# KiCad board ebit_ad.kicad_pcb (continued)
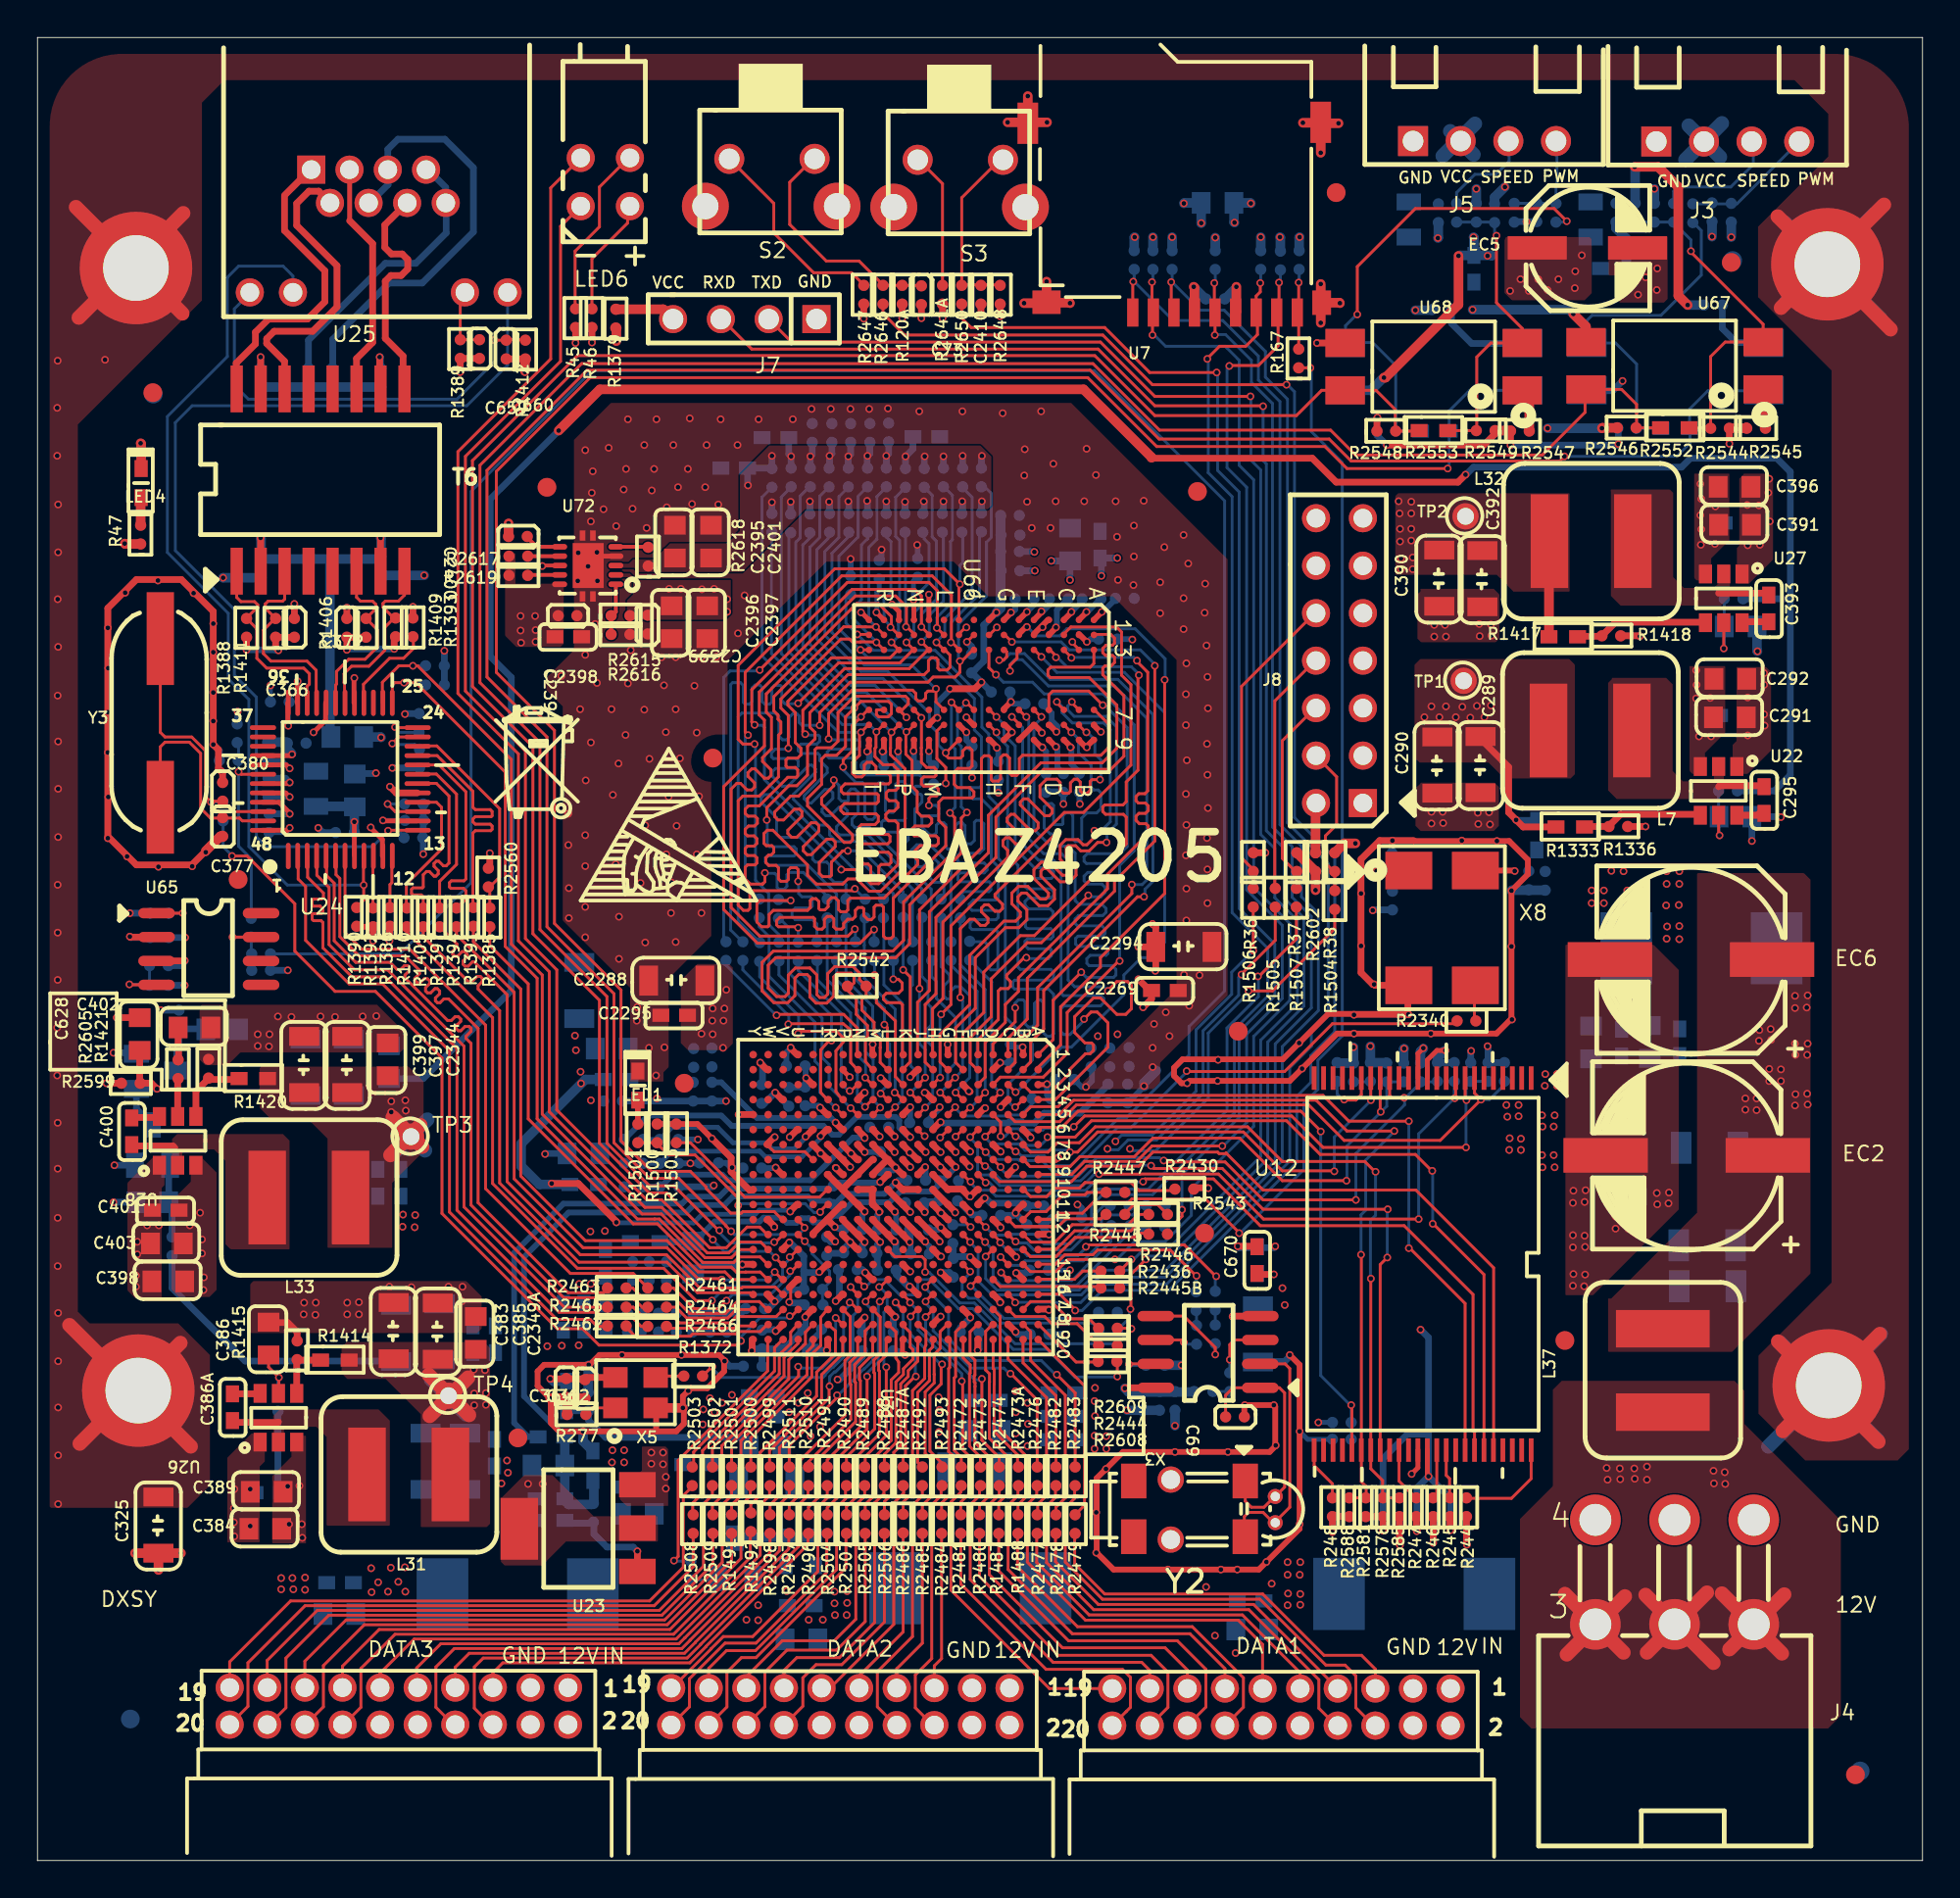
[diagram p0: board, top side]
## Routing (per net, layer and track width the routed paths; a pad name or vN(x,y) marks a point on that pad's centre or on a via; arc(x,y) is an arc through that point) (continued)
NetU31_C16: length 8.1
  Top Layer w0.152: 51.77,31.02 51.76,31.02 v1(51.4,31.38)
  Bottom Layer w0.152: 57.25,33.68 57.25,33.03 55.17,30.95 51.76,30.95 51.4,31.3 v1(51.4,31.38)
NetU31_C18: length 5.6
  Top Layer w0.152: 56.55,27.5 56.55,27.55 55.46,28.65 54.11,28.65 53.73,29.03 52.17,29.03 51.77,29.42
NetU31_D16: length 5.9
  Top Layer w0.152: 56.7,30.58 56.65,30.63 51.36,30.63 50.97,31.02
NetU31_E13: length 12.2
  Top Layer w0.152: 50.16,33.42 50.16,33.39 v1(50.55,33)
  Bottom Layer w0.152: R2443.2 58.63,33.3 58.05,33.3 55.44,30.69 51.41,30.69 50.98,31.13 50.98,32.58 50.58,32.98
NetU31_E16: length 8.3
  Top Layer w0.152: 50.16,31.02 50.15,31.02 v1(49.78,30.65)
  Bottom Layer w0.152: 49.75,30.7 49.78,30.7 51.55,28.93 56.28,28.93 R2435.2
NetU31_F12: length 1.6
  Top Layer w0.152: v1(49.78,33.8) 49.77,33.8 49.36,34.22
  Bottom Layer w0.152: R2539.2 49.6,33.93 49.78,33.75
NetU31_F15: length 9.8
  Top Layer w0.152: 49.36,31.82 v1(49.75,31.43)
  Bottom Layer w0.152: R2437.2 56.28,28.68 51.43,28.68 50.1,30.01 49.67,30.01 49.33,30.35 49.33,30.93 49.73,31.33
NetU31_G5: length 5.4
  Top Layer w0.152: v1(48.95,40.2) 48.56,39.81 48.55,39.81
  Bottom Layer w0.152: v1(48.95,40.2) 48.95,40.15 49.38,39.73 51.65,39.73 51.7,39.78 52.46,39.78 53.08,40.4 53.08,40.65
NetU31_G8: length 18.1
  Top Layer w0.356: v1(48.98,37) 48.96,37 48.55,37.41
  Bottom Layer w0.305: 35.2,33.18 36.13,34.1 38.53,34.1 38.73,34.3 39.7,34.3 39.98,34.03 40.49,34.03 40.74,34.28 41.15,34.28 41.38,34.05 42.09,34.05 42.44,34.4 42.73,34.4 43.45,35.13 45.45,35.13 46.03,35.7 47.73,35.7 48.23,36.2 48.23,36.25 v1(48.98,37)
  Bottom Layer w0.356: C2349.2 34.93,33 33.28,33
NetU31_H5: length 1.5
  Top Layer w0.152: 47.75,39.81 47.75,39.82 v1(48.13,40.2)
  Bottom Layer w0.305: R2456.1 47.53,39.53 48.13,40.13
NetU31_H6: length 10.4
  Top Layer w0.356: 47.75,39.01 48.13,39.39 48.13,39.4
  Bottom Layer w0.356: 57.15,41.38 57.1,41.38 55.6,39.88 53.7,39.88 53.18,39.35 52.56,39.35 52.5,39.42 51.86,39.42 51.79,39.35 48.18,39.35
  vias: v1(48.18,39.4)
NetU31_N6: length 13.9
  Top Layer w0.356: 43.99,38.74 44.13,38.6 44.13,38.61 43.73,39.01
  Bottom Layer w0.305: 44.03,38.58 43.5,38.58 41.23,36.3 36.83,36.3 36.53,36.6 33.9,36.6 33.25,35.95 33.25,35.9 R1499.2 R1494.1
  vias: v1(44.13,38.55)
NetU31_P6: length 8
  Top Layer w0.356: 42.93,39.01 42.58,39.36 v1(42.58,39.38)
  Bottom Layer w0.305: v1(42.58,39.38) 42.33,39.63 38.38,39.63 36.48,41.53 C1987.2
NetU31_R6: length 10.8
  Top Layer w0.356: 41.75,38.65 42.11,39.01 42.12,39.01
  Bottom Layer w0.254: R1495.1 R1497.2 33.85,37.85 38.53,37.85 38.83,37.55 40.78,37.55 41.75,38.53 41.75,38.55
  vias: v1(41.78,38.65)
NetU31_T6: length 10.2
  Top Layer w0.356: v1(40.98,38.63) 41.32,38.97 41.32,39.01
  Bottom Layer w0.254: R1496.1 33.2,38.48 33.85,39.13 36.28,39.13 37.1,38.3 38.85,38.3 39.18,37.98 40.38,37.98 41,38.6
NetU31_V18: length 8.9
  Top Layer w0.152: 39.73,29.35 39.4,29.03 37.28,29.03 36.94,28.69 34.24,28.69 33.9,29.03 32.28,29.03 31.78,29.53 R2465.2
NetU65_7: length 4.4
  Top Layer w0.152: v1(10.4,49.28) U65.7
  Bottom Layer w0.152: 11.43,47.38 11.4,47.4 R1401.2 10.5,49.28 10.43,49.35
NetU69_1: length 3.8
  Bottom Layer w0.356: 92.08,81 90.63,81 89.88,81.75 R2551.2
NetU70_1: length 4.8
  Bottom Layer w0.356: R3555.2 75.43,82.03 76.5,80.95 79.05,80.95
NetU72_6: length 1.9
  Top Layer w0.203: 27.83,70.1 26.63,70.1 26.15,70.58
NetU72_7: length 1.7
  Top Layer w0.203: R2617.2 27.83,69.6
NetU72_9: length 1.7
  Top Layer w0.203: 26.18,68.6 27.83,68.6
NetX3_5: length 4.9
  Top Layer w0.152: X3.5 61.15,29.05 62.83,27.38 v1(62.83,27)
  Bottom Layer w0.152: 62.75,26.98 62.83,27.05 R122.1
NetX3_6: length 2.3
  Top Layer w0.152: v1(61.15,27.65) 61.03,27.78 X3.6
  Bottom Layer w0.152: 61.13,27.6 61.18,27.55 R120.1
NetX3_7: length 2.3
  Top Layer w0.152: v1(58.23,26.48) 58.25,26.5 X3.7
  Bottom Layer w0.152: C71.2 58.33,26.43 58.25,26.5
NetX5_1: length 1.8
  Top Layer w0.152: X5.1 29.58,24.15 29.2,23.78
NetX5_2: length 4.4
  Top Layer w0.356: X5.2 29.28,25.78 29.2,25.7 v1(27.35,25.7)
  Bottom Layer w0.356: L29.1 28.15,25.5 27.5,25.5 27.38,25.63
NetX8_4: length 2.1
  Top Layer w0.305: v1(78.8,52.8) 78.78,52.83 X8.4
NetY2_7: length 13.2
  Top Layer w0.152: Y2.2 64.38,17.33 64.38,18.35 64.6,18.58 65.38,18.58 65.93,18.03 ; X3.2 66.55,26.5 66.8,26.25 66.8,18.85 66,18.05
PS-DDR-A0_0: length 10
  Top Layer w0.152: 43.73,42.2 43.38,42.59 43.38,44.32 42.98,44.65 40.08,44.65 v1(40.05,44.63)
  Bottom Layer w0.152: R2517.1 37.63,47.53 40.08,45.08 40.08,44.7
PS-DDR-A1_0: length 8.4
  Top Layer w0.152: 46.14,42.2 46.55,42.61 46.55,47.15 v1(46.18,47.53)
  Bottom Layer w0.152: 46.1,50.23 46.18,50.15 v1(46.18,47.53)
PS-DDR-A2_0: length 9.9
  Top Layer w0.152: v1(44.15,41.78) 44.52,41.4 44.53,41.4
  Bottom Layer w0.152: 44.18,41.8 44.18,42.53 43.75,42.95 43.75,45.38 42.13,47 R2519.1
PS-DDR-A3_0: length 7.2
  Top Layer w0.152: v1(44.65,47.25) 44.75,47.15 44.75,45.78 45.76,44.8 45.76,41.83 46.14,41.4
  Bottom Layer w0.152: v1(44.65,47.25) 44.65,48 44.68,48.03
PS-DDR-A4_0: length 9.4
  Top Layer w0.152: 44.53,40.61 v1(44.14,40.22) 44.13,40.2 44.13,40.18
  Bottom Layer w0.152: 41.6,47.93 41.6,47 43.38,45.23 43.38,42.58 43.73,42.22 43.73,41.9 43.73,40.63 v1(44.14,40.22) 44.09,40.22
PS-DDR-A5_0: length 5.7
  Top Layer w0.152: v1(45.18,44.6) 45.34,44.44 45.34,43
  Bottom Layer w0.152: v1(45.18,44.6) 45.18,45.48 43.63,47.03 R2522.1
PS-DDR-A6_0: length 11
  Top Layer w0.152: 44.95,40.98 45.32,40.61 45.34,40.61
  Bottom Layer w0.152: 44.95,40.98 45.45,41.48 45.45,43.58 44.55,44.48 44.55,45.58 43.13,47 43.13,50.23 43.1,50.25
  vias: v1(44.98,40.93)
PS-DDR-A7_0: length 10.6
  Top Layer w0.152: 46.14,40.61 45.77,40.98 v1(45.73,40.98)
  Bottom Layer w0.152: R2524.1 44.1,50.25 44.1,49.23 44.1,49.22 44.1,48.83 44.1,48.83 44.1,48.23 44.1,48.22 44.1,47.83 44.1,47.83 44.1,47.08 45.75,45.43 45.75,41 v1(45.73,40.98)
PS-DDR-A8_0: length 6.9
  Top Layer w0.152: v1(45.65,47.03) 45.93,47.03 46.13,46.83 46.13,46.48 45.93,46.28 45.28,46.28 45.13,46.13 45.13,45.95 45.3,45.78 46.03,45.78 46.14,45.66 46.14,43
  Bottom Layer w0.152: v1(45.65,47.03) 45.65,47.88 45.68,47.9
PS-DDR-A9_0: length 8
  Top Layer w0.152: 46.58,40.95 46.92,40.61 46.95,40.61
  Bottom Layer w0.152: R2526.1 46.68,46.73 46.58,46.63 46.58,42.4 46.95,42.03 46.95,41.35 46.53,40.93
  vias: v1(46.55,40.98)
PS-DDR-A10_0: length 9.2
  Top Layer w0.152: 49.36,39.81 49.73,40.18 v1(49.75,40.18)
  Bottom Layer w0.152: 49.75,40.15 50.13,40.53 50.13,46.38 48.73,47.78 R2527.1
PS-DDR-A11_0: length 8.5
  Top Layer w0.152: 48.55,40.61 48.52,40.61 v1(48.15,40.98)
  Bottom Layer w0.152: v1(48.15,40.98) 48.18,40.98 48.55,41.35 48.55,42.13 48.98,42.55 48.98,44.98 47.95,46 47.95,46.9 47.7,47.15 R2528.1
PS-DDR-A12_0: length 10.3
  Top Layer w0.152: 50.16,40.61 50.18,40.61 v1(50.55,40.98)
  Bottom Layer w0.152: v1(50.55,40.98) 50.55,46.48 49.23,47.8 49.23,50.18 49.2,50.2
PS-DDR-A13_0: length 8.3
  Top Layer w0.152: v1(51.35,40.98) 50.98,40.61 50.97,40.61
  Bottom Layer w0.152: R2530.1 50.9,46.88 50.9,41.43 v1(51.35,40.98)
PS-DDR-A14_0: length 12.5
  Top Layer w0.152: 49.36,40.61 48.99,40.98 v1(48.98,40.98)
  Bottom Layer w0.152: R2531.1 48.2,47.7 48.65,47.25 48.65,46.98 48.35,46.68 48.35,46.13 48.5,45.98 48.65,45.98 48.7,46.03 48.7,46.38 48.95,46.63 49.25,46.63 49.73,46.15 49.73,41.78 49,41.05
PS-DDR-BA0_0: length 11.1
  Top Layer w0.152: v1(45.75,40.2) 45.36,39.81 45.34,39.81
  Bottom Layer w0.152: v1(45.75,40.2) 46.13,40.58 46.13,45.75 45.15,46.73 45.15,50.18
PS-DDR-BA1_0: length 11.3
  Top Layer w0.152: v1(42.35,43.75) 42.23,43.75 41.78,43.25 41.78,40.99 42.12,40.61
  Bottom Layer w0.152: R2515.1 39.58,50.28 40.05,49.8 40.05,47.4 42.35,45.1 v1(42.35,43.75)
PS-DDR-BA2_0: length 11.3
  Top Layer w0.152: 46.95,39.81 46.98,39.81 v1(47.35,40.18)
  Bottom Layer w0.152: 47.3,40.13 47.75,40.58 47.75,43.43 47.5,43.68 47.5,44.4 47.68,44.58 47.68,45.53 47.5,45.7 47.5,46.85 47.18,47.18 R2516.1
PS-DDR-CAS_0: length 12.3
  Top Layer w0.152: 42.93,39.81 42.58,40.16 v1(42.58,40.18)
  Bottom Layer w0.152: 42.55,40.15 42.55,40.18 41.73,41 41.73,42.4 41.48,42.65 41.48,44.73 39.03,47.18 39.03,49.3 38.5,49.83 R2533.1
PS-DDR-CKE_0: length 8.6
  Top Layer w0.152: 43.35,41.03 43.73,41.4
  Bottom Layer w0.152: R2536.1 40.58,47.5 42.88,45.2 42.88,41.45 43.26,41.06
  vias: v1(43.33,41.07)
PS-DDR-CS_0: length 10
  Top Layer w0.152: v1(39.43,45.1) 39.48,45.15 43,45.15 43.73,44.42 43.73,43
  Bottom Layer w0.152: R2535.1 36.73,47.78 39.3,45.2 39.33,45.2
PS-DDR-ODT_0: length 10
  Top Layer w0.152: v1(43.38,40.15) 43.38,40.15 43.73,39.81
  Bottom Layer w0.152: 43.4,40.13 42.23,41.3 42.23,42.48 41.85,42.85 41.85,44.95 39.55,47.25 R2513.1
PS-DDR-RAS_0: length 10.8
  Top Layer w0.152: 42.93,40.61 42.59,41.04 42.59,43.2 43,43.7 43,43.88 42.63,44.25 40.7,44.25 v1(40.58,44.13)
  Bottom Layer w0.152: 40.6,44.15 40.6,45.08 38.53,47.15 R2532.1
PS-DDR-WE_0: length 9.3
  Top Layer w0.152: 44.53,39.81 44.58,39.81 v1(44.95,40.18)
  Bottom Layer w0.152: R2534.1 42.63,47 44.15,45.48 44.15,43.73 44.15,43.72 44.15,43.18 44.58,42.75 44.58,41.93 44.57,41.92 44.57,40.58 44.9,40.25
REGOUT: length 5.4
  Top Layer w0.254: 16.9,53.62 v1(16.9,55.43) 16.88,55.41
  Bottom Layer w0.508: 16.93,56.3 16.88,56.25 L30.2 ; 16.98,56.25 16.9,56.18 C382.1
REGOUT.0: length 23.8
  Top Layer w0.254: 15.37,61.78 15.37,60.85 v1(14.73,60.2)
  Top Layer w0.356: T6.7 18.3,70.57 v1(18.3,70.58) ; T6.2 11.91,70.57 v1(11.9,70.58)
  Bottom Layer w0.508: 15.6,69.45 15.6,59.83 15.48,59.7 ; 15.6,69.45 18.23,69.45 18.33,69.55 18.33,70.55 v1(18.3,70.58) ; 15.6,69.45 C375.1 11.93,70.53 11.9,70.55
RESET.0_0: length 121.7
  Top Layer w0.152: 51.77,38.21 52.15,37.83 52.18,37.83
  Bottom Layer w0.152: R2392.1 19.33,48.38 23.13,52.18 23.13,73.05 29.58,79.5 56.38,79.5 63.33,72.55 63.33,46.4 61.43,44.5 61.43,42.98 58.1,39.65 57.7,39.65 55.13,37.08 54.23,37.08 53.7,37.6 52.49,37.6 52.29,37.8 52.25,37.8
  vias: v1(52.18,37.83)
RESET.1_0: length 11.1
  Top Layer w0.152: v1(10.73,58.1) 10.87,57.96 12,57.96
  Bottom Layer w0.152: R1995.1 10.73,59.58 10.73,54.13 11.4,53.45 11.4,50.23 11.43,50.2
REST.ON_0: length 45.1
  Top Layer w0.152: 18.4,61.78 18.4,62.87 19.28,63.75 v1(20.03,63.75) 20.28,63.75 25.28,58.75 25.28,48.9 26.93,47.25 26.93,39.83 32.25,34.5 33.28,34.5 35.61,32.17 36.98,32.17 36.99,32.19 37.04,32.19 37.45,32.6 38.08,32.6
  Bottom Layer w0.152: 20.13,63.75 R2469.2
RXCLK_0: length 35.8
  Top Layer w0.152: 40.51,32.62 40.51,32.56 40.15,32.2 ; R1410.1 19.7,49.55 24.28,44.98 24.28,36.13 28.8,31.6 33.4,31.6 35.13,29.88 v1(35.98,29.88)
  Bottom Layer w0.152: 40.13,32.1 39.75,31.72 39.75,31.28 39.75,31.28 39.75,31.21 39.17,30.63 36.73,30.63 36,29.9 35.98,29.9
  vias: v1(40.13,32.2)
RXD0_0: length 29
  Top Layer w0.152: R1391.1 23.25,49.03 25.78,46.5 25.78,36.53 29.23,33.08 33.58,33.08 35.25,31.41 36.67,31.41 37.08,31 38.08,31
RXD1_0: length 31.4
  Top Layer w0.152: 39.38,31.35 39.38,31.35 39.71,31.02 ; R1394.1 22.35,49.4 25.43,46.33 25.43,36.38 29.1,32.7 33.58,32.7 35.23,31.05 36.48,31.05 36.5,31.03
  Bottom Layer w0.152: 36.5,31.03 36.55,30.98 38.93,30.98 39.28,31.33
  vias: v1(36.5,31) v1(39.33,31.4)
RXD2_0: length 33.9
  Top Layer w0.152: 39.68,30.28 39.35,30.6 37.63,30.6 37.58,30.55 35.33,30.55 33.55,32.33 28.95,32.33 25.05,36.23 25.05,46.2 23.3,47.95 23.2,47.95 22.98,47.73 22.8,47.73 22.7,47.83 22.7,48 22.93,48.23 22.93,48.35 22.78,48.5 22.65,48.5 22.4,48.25 22.25,48.25 22.15,48.35 22.15,48.53 22.38,48.75 22.38,48.9 R1397.1
RXD3_0: length 32.2
  Top Layer w0.152: 38.1,30.22 38.03,30.3 35.21,30.3 33.58,31.93 28.88,31.93 24.65,36.15 24.65,45.35 23.5,46.5 23.5,46.68 23.73,46.9 23.73,47.08 23.63,47.18 23.45,47.18 23.15,46.88 23,46.88 20.58,49.3 R1405.1
RXDV_0: length 27.4
  Top Layer w0.152: R1385.1 24.13,48.83 26.18,46.78 26.18,39.58 31.78,33.97 33.07,33.97 35.38,31.66 37.02,31.66 37.28,31.4 37.77,31.4 37.78,31.4 38.55,31.4 38.9,31.05
RY/#BY_0: length 30.4
  Top Layer w0.152: 51.77,39.81 52.15,39.43 54.53,39.43 55.42,40.32 67.81,40.32 69.7,38.43 74.83,38.43 v1(77,40.6) 76.66,40.95 U12.7
  Bottom Layer w0.152: v1(77,40.6) 77.45,40.6 78.25,41.4 78.25,41.5
TXCLK_0: length 33.1
  Top Layer w0.152: U24.7 16.4,49.52 17.3,48.63 19.85,48.63 23.9,44.58 23.9,35.85 28.43,31.33 31.78,31.33 32.48,30.63
TXD0_0: length 34.5
  Top Layer w0.152: 15.92,53.6 15.92,52.6 16.13,52.4 16.13,49.3 17.15,48.28 19.6,48.28 20.38,47.5 20.38,47.33 20.13,47.08 20.13,46.98 20.28,46.83 20.4,46.83 20.63,47.05 20.8,47.05 20.93,46.93 20.93,46.8 20.7,46.58 20.7,46.4 20.8,46.3 20.98,46.3 21.2,46.53 21.33,46.53 21.45,46.4 21.45,46.25 21.23,46.03 21.23,45.88 21.33,45.78 21.48,45.78 21.68,45.98 21.93,45.98 23.5,44.4 23.5,35.1 28.3,30.3 30.2,30.3 30.43,30.53
TXD1_0: length 37
  Top Layer w0.152: 32.5,29.53 32.25,29.53 31.75,30.03 28.08,30.03 23.13,34.98 23.13,43.6 22.85,43.88 22.85,43.98 23.13,44.25 23.13,44.4 23.03,44.5 22.8,44.5 22.58,44.28 22.45,44.28 22.33,44.4 22.33,44.53 22.58,44.78 22.58,44.9 22.45,45.03 22.28,45.03 22.08,44.83 21.88,44.83 19.6,47.1 19.6,47.25 19.83,47.48 19.83,47.68 19.75,47.75 19.58,47.75 19.38,47.55 19.18,47.55 18.8,47.93 16.98,47.93 15.83,49.08 15.83,52.15 15.42,52.56 15.42,53.6
TXD2_0: length 32.4
  Top Layer w0.152: 14.9,53.13 14.9,52.58 15.55,51.93 15.55,48.88 16.9,47.53 18.68,47.53 22.75,43.45 22.75,34.88 28.1,29.53 R2465.1
TXD3_0: length 37.8
  Top Layer w0.152: 32.48,28.5 32.2,28.5 31.68,29.03 30.1,29.03 29.88,29.25 27.83,29.25 22.38,34.7 22.38,43.33 18.55,47.15 16.78,47.15 15.23,48.7 15.23,50.05 15.13,50.15 14.73,50.15 14.65,50.23 14.65,50.48 14.7,50.53 15.13,50.53 15.23,50.63 15.23,50.78 15.08,50.93 14.7,50.93 14.65,50.98 14.65,51.23 14.73,51.3 15.15,51.3 15.25,51.4 15.25,51.63 14.41,52.47 14.41,53.6
TXEN_0: length 34.3
  Top Layer w0.152: 13.91,53.6 13.91,52.37 14.3,51.98 14.3,49.1 16.63,46.78 18.4,46.78 21.98,43.2 21.98,34.6 27.7,28.88 29.48,28.88 29.85,28.5 30.38,28.5
U3.A14_0: length 72.4
  Top Layer w0.152: R2650.1 49.3,82.3 49.8,81.8 56.93,81.8 59.33,79.4 v1(62.9,79.4) ; v1(61.05,34.73) 61.05,34.38 60.6,33.93 58.65,33.93 58.33,33.6 55.33,33.6 54.34,32.62 53.38,32.62
  Bottom Layer w0.152: v1(62.9,79.4) 62.95,79.35 62.95,74.18 64.1,73.03 64.1,50.8 66,48.9 66,46.13 64.1,44.23 64.1,40.01 64.11,40.01 64.11,39.66 61.05,36.6 61.05,34.68
U3.A17_0: length 84.3
  Top Layer w0.152: R2646.1 45.1,82.55 46.25,81.4 56.83,81.4 59.48,78.75 v1(66.63,78.75) ; 53.38,30.22 54.53,30.22 55.35,29.4
  Bottom Layer w0.152: v1(66.63,78.75) 66.68,78.75 67.05,78.38 67.05,55.65 69.2,53.5 69.2,44.23 67.93,42.95 67.93,41.53 67.18,40.78 67.18,37.25 60.35,30.43 56.8,30.43 55.73,29.35 55.48,29.35
  vias: v1(55.35,29.35)
U3.A.9_0: length 61.7
  Top Layer w0.152: 63.6,79.78 65.13,79.78 66.18,80.83 66.18,82.53 U7.8 66.23,82.72 v1(66.23,84.2) ; 53.38,36.61 55.16,36.61 55.86,37.31 58.63,37.31 59.45,38.13 v1(63.2,38.13)
  Bottom Layer w0.152: R160.1 66.3,84.23 66.25,84.18 ; 63.45,79.63 63.45,74.33 64.5,73.28 64.5,51.8 66.4,49.9 66.4,46 64.5,44.1 64.5,39.38 63.23,38.1
  vias: v1(63.58,79.75)
U3.A.12_0: length 62.1
  Top Layer w0.152: 53.89,34.22 53.38,34.22 54.16,34.22 54.49,34.54 55.74,34.54 56.33,35.13 58.2,35.13 58.38,35.3 62.3,35.3 64.1,33.5 v1(64.1,33.48) ; R167.1 v1(67.9,79.65)
  Bottom Layer w0.152: v1(64.1,33.48) 64.15,33.48 67.55,36.88 67.55,40.4 68.3,41.15 68.3,42.7 69.6,44 69.6,74.6 67.95,76.25 67.95,79.5
U3.A.16_0: length 79.8
  Top Layer w0.152: v1(64.7,78.13) 59.6,78.13 56.7,81.03 40.23,81.03 J7.2 ; R2436.2 v1(58.35,32.08)
  Bottom Layer w0.152: v1(58.35,32.08) 58.48,32.08 59.03,32.63 60.3,32.63 65.25,37.58 65.25,43.78 67.2,45.73 67.2,50.18 66,51.38 66,54 65.25,54.75 65.25,74.2 64.73,74.73 64.73,78 64.75,78.03
U3.B.15_0: length 67.9
  Top Layer w0.152: v1(59.45,84.23) 59.45,82.67 U7.2 59.48,82.56 v1(59.48,81.4) ; 52.57,31.82 52.97,31.43 54.33,31.43 54.97,32.07 57.47,32.07 v1(57.48,32.08)
  Bottom Layer w0.152: 59.5,84.25 R164.1 ; v1(57.48,32.08) 57.58,32.08 58.53,33.03 60.15,33.03 61.55,34.43 61.55,35.85 64.88,39.18 64.88,43.98 66.8,45.9 66.8,50 64.88,51.93 64.88,73.68 64.1,74.45 64.1,80.05 63.35,80.8 60.18,80.8 59.58,81.4
U3.C.17_0: length 72.6
  Top Layer w0.152: U7.3 60.48,82.75 v1(60.48,84.23) ; 51.77,30.22 52.19,29.8 52.2,29.8
  Bottom Layer w0.152: 60.53,84.23 R163.1 ; 52.18,29.75 52.21,29.78 54.12,29.78 54.13,29.78 55.65,29.78 56.63,30.75 60.23,30.75 66.8,37.33 66.8,42.3 67.95,43.45 67.95,44.35 68.85,45.25 68.85,53.2 66.68,55.38 66.68,77.98 65.5,79.15 65.5,80.53 63.3,82.73 62.03,82.73 60.6,84.15
  vias: v1(52.15,29.78)
U3.D.14_0: length 71.1
  Top Layer w0.152: v1(50.58,32.23) 50.58,32.23 50.97,32.62 ; v1(62.8,81.4) 62.81,81.41 U7.5 62.78,82.64 v1(62.78,84.18)
  Bottom Layer w0.152: 62.83,84.2 R162.1 ; v1(50.58,32.23) 50.58,31.05 51.19,30.44 55.56,30.44 56.63,31.5 60.18,31.5 66.03,37.35 66.03,43.58 67.95,45.5 67.95,50.38 66.93,51.4 66.93,54.1 65.88,55.15 65.88,77.75 64.75,78.88 64.75,80.05 63.38,81.43 62.85,81.43
U3.E.12_0: length 66.9
  Top Layer w0.152: v1(65.23,84.18) 65.23,83.7 65.01,83.48 U7.7 65.08,82.53 65.08,81.43 64.45,80.8 63.05,80.8 62.4,80.15 v1(62.4,80.13) ; 50.16,34.22 v1(50.58,33.8)
  Bottom Layer w0.152: 50.58,33.73 v1(50.58,33.8) 51.01,33.37 51.52,33.37 51.96,33.37 52.01,33.42 53.18,33.42 53.7,32.9 55.08,32.9 56.23,34.05 56.23,34.95 56.8,35.53 59.48,35.53 63.85,39.9 63.85,39.91 63.85,44.35 65.63,46.13 65.63,48.68 63.73,50.58 63.73,72.78 62.45,74.05 62.45,80.13 ; 65.25,84.2 R161.1
U3.F13_0: length 78.1
  Top Layer w0.152: U7.1 58.43,84.23 v1(58.45,84.25) ; v1(49.75,33) 49.75,33.02 49.36,33.42
  Bottom Layer w0.152: 58.5,84.25 R165.1 ; 58.5,84.25 58.43,84.18 ; 58.5,84.25 60.58,82.18 63.23,82.18 65.13,80.28 65.13,79 66.28,77.85 66.28,55.28 67.43,54.13 67.43,51.43 68.33,50.53 68.33,45.35 66.4,43.43 66.4,37.35 60.18,31.13 56.63,31.13 55.68,30.18 50.92,30.18 50.18,30.93 50.18,32.55 49.73,33 ; 58.5,84.25 v1(58.45,84.25)
U3.F.15_0: length 85.8
  Top Layer w0.152: J7.3 36.5,82.25 38.1,80.65 56.58,80.65 59.6,77.63 65.35,77.63 v1(65.38,77.6) ; 58.23,29.43 58.33,29.53 58.33,31.28 v1(59.13,32.08) 59.13,32.1
  Bottom Layer w0.152: 65.38,77.55 65.38,74.7 65.55,74.53 65.55,54.95 66.53,53.98 66.53,51.33 67.55,50.3 67.55,45.6 65.63,43.68 65.63,37.45 60.43,32.25 59.3,32.25 v1(59.13,32.08) ; R2437.1 58.25,28.95 58.25,29.45
  vias: v1(58.3,29.43)
U3.U12_0: length 126.3
  Top Layer w0.152: 37.06,33.52 36.73,33.85 36.73,33.88 34.2,36.4 32.65,36.4 30.75,38.3 30.75,46.25 27.18,49.83 27.18,59.95 23.98,63.15 23.98,74.18 29.33,79.53 56.15,79.53 59.83,75.85 68.9,75.85 70.08,74.68 75.05,74.68 75.06,74.68 75.4,74.68 75.4,74.68 81.2,74.68 v1(81.45,74.93) ; 40.51,34.22 40.93,33.8
  Bottom Layer w0.152: 88.15,76.5 88.15,75.63 87.45,74.93 v1(81.45,74.93) ; 91.63,78.48 91.58,78.43 89.1,78.43 88.13,77.45 R2554.1 ; v1(40.92,33.77) 40.92,33.72 40.6,33.4 37.18,33.4 37.06,33.52
  vias: v1(37,33.58)
U3.V12_0: length 111.3
  Top Layer w0.152: 39.71,34.22 39.3,34.63 37.63,34.63 37.55,34.55 36.98,34.55 35.67,35.86 35.67,35.93 34.83,36.78 32.75,36.78 31.13,38.4 31.13,46.45 27.58,50 27.58,60.3 24.48,63.4 24.48,74.13 29.48,79.13 56.03,79.13 59.7,75.45 68.68,75.45 69.85,74.28 v1(75.23,74.28)
  Bottom Layer w0.152: U70.2 76.4,78.45 75.3,77.35 75.3,74.35 75.2,74.25
U3.V13_0: length 121.3
  Top Layer w0.152: 82.55,78.15 82.55,77.28 80.28,75 70.3,75 68.98,76.33 59.85,76.33 56.3,79.88 29.03,79.88 23.6,74.45 23.6,62.85 26.8,59.65 26.8,49.68 30.38,46.1 30.38,38.28 32.65,36 33.95,36 36.35,33.6 36.38,33.6 ; 39.38,33 39.71,33.33 39.71,33.42 ; U67.4 84.5,78.5 85.3,77.7 85.3,76.43 ; 86.5,76.43 86.48,76.45 R2546.2
  Bottom Layer w0.152: 39.28,32.93 39.25,32.95 36.93,32.95 36.35,33.53 36.35,33.6
  vias: v1(36.38,33.63) v1(39.3,33)
U3.V15_0: length 107.9
  Top Layer w0.152: 39.71,31.82 39.38,32.15 v1(39.38,32.18) ; R2548.2 73.73,76.28 ; 72.43,76.3 72.43,77.43 71.4,78.45 U68.4 68.5,78.45 67.15,77.1 59.6,77.1 56.4,80.3 28.8,80.3 23.2,74.7 23.2,62.65 26.43,59.43 26.43,49.45 29.98,45.9 29.98,38.28 32.63,35.63 33.55,35.63 36.1,33.08
  Bottom Layer w0.152: 36.1,33.08 36.1,33.03 36.63,32.5 39.05,32.5 v1(39.38,32.18)
  vias: v1(36.03,33.13)
U3.W13_0: length 67.6
  Top Layer w0.152: LED6.4 27.9,87.2 27.9,80 22.83,74.93 22.83,62.4 26.03,59.2 26.03,49.2 27.7,47.53 27.7,40.05 32.5,35.25 33.3,35.25 35.85,32.7 36.75,32.7 37.85,33.8 38.53,33.8 38.88,33.45
U3.W14_0: length 70.8
  Top Layer w0.152: LED6.3 27.38,89.25 27.38,80.13 22.43,75.18 22.43,62.28 25.65,59.05 25.65,49.08 27.3,47.43 27.3,39.95 32.4,34.85 33.3,34.85 35.73,32.42 36.87,32.42 37.45,33 38.58,33 38.93,32.65
U12-IO0_0: length 35.5
  Top Layer w0.152: 53.38,39.01 53.5,39.13 54.65,39.13 55.51,39.98 67.39,39.98 68.45,38.93 v1(68.45,38.9) ; v1(70.08,24.3) 70.12,24.26 U12.29
  Bottom Layer w0.152: 70.05,23.25 70.08,23.23 R2584.1 ; 70.13,23.43 70.08,23.48 v1(70.08,24.3) 70.03,24.3 68.45,25.88 68.45,38.98 68.4,39.03
U12-IO1_0: length 41.2
  Top Layer w0.152: 70.88,19.4 70.88,19.95 70.62,20.21 U12.30 70.62,32.31 v1(70.6,32.33) ; 53.38,39.81 54.51,39.81 55.27,40.57 68.21,40.57 69.85,38.93 v1(72.38,38.93) ; R2588.2 70.8,19.35